# Altium PCB pcb.PcbDoc (part 2 of 2)
Units mm, origin at the board's own origin, x right, y up, seen from the top; angles counter-clockwise.
Board outline 174.83 x 114.43 mm, 2 copper layers (Top Layer, Bottom Layer); 117 components, 132 nets, 722 pads, 1852 vias.
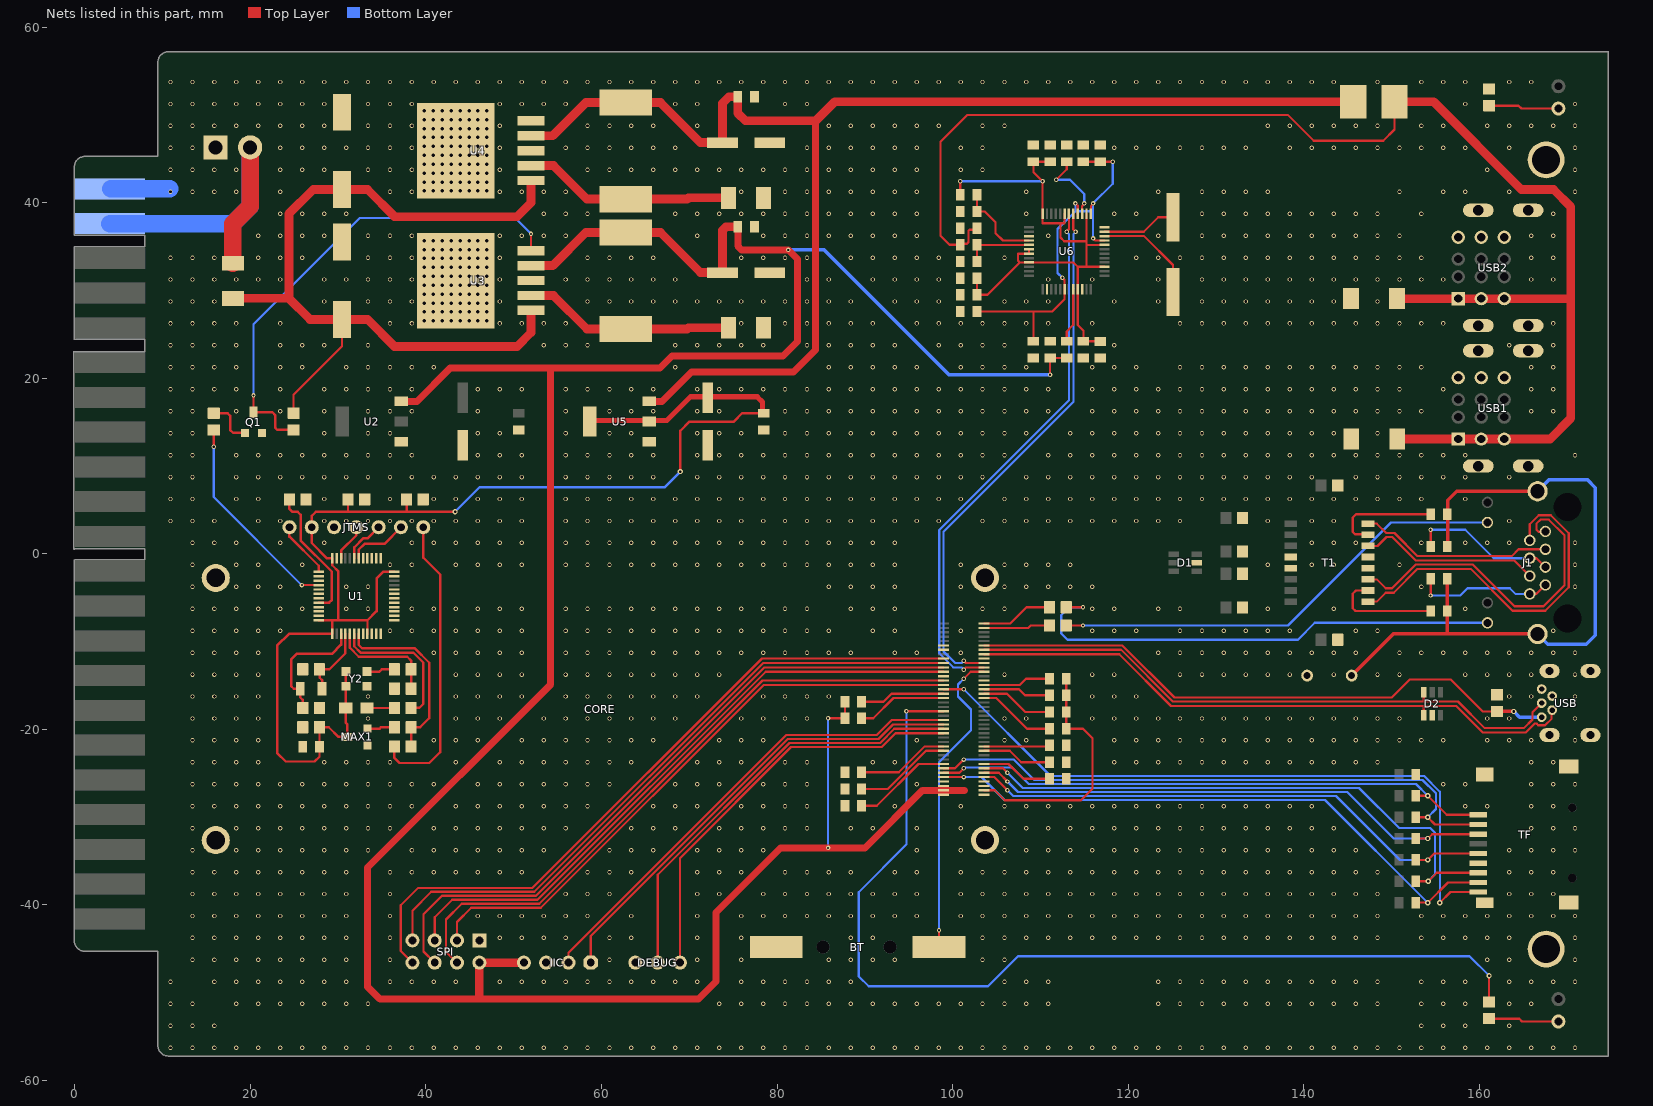
[diagram p2: the nets of this part, all layers, seen from the top]

## Via types
v1: diameter 0.5, hole 0.3, Top Layer to Bottom Layer, tented both sides, 1793 vias
v2: diameter 0.5, hole 0.25, Top Layer to Bottom Layer, tented both sides, 39 vias
v3: diameter 0.6, hole 0.3, Top Layer to Bottom Layer, tented both sides, 6 vias
v4: diameter 0.6, hole 0.3, Top Layer to Bottom Layer, 6 vias
v5: diameter 0.508, hole 0.254, Top Layer to Bottom Layer, tented both sides, 6 vias
v6: diameter 0.6, hole 0.3, Top Layer to Bottom Layer, tented bottom, 2 vias

## Nets (pads, with @x,y where several pads share a name; then routed paths per layer and width w, separated by ;. In a path a pad name is that pad's centre, name@x,y a point inside that pad or via, vN(x,y) a via of type N, cw(c..) or ccw(c..) an arc to the next point about the centre after c; other vN are vias at no path point) (continued)
GND: "Fixed hole 1.1" "Fixed hole 2.1" BT.2 C1.2 C2.2 C3.1 C4.2 C5.1 C6.1 C7.1 C8.2 C9.2 C10.2 C11.2 C12.2 C13.2 C14.2 C15.2 C16.2 C17.2 C18.2 C19.2 C20.1 C21.1 C22.1 C23.1 C24.1 C25.1 C26.1 C27.1 C28.1 C29.1 C30.1 C31.1 C32.1 C33.2 C34.2 C35.1 C36.1 C37.1 C38.1 C39.1 C40.1 C41.1 CORE.4 CORE.27 CORE.32 CORE.46 CORE.47 CORE.53 CORE.77 D1.5 D2.2 DEBUG.1 IIC.3 JTMS.5 MAX1.1 pad.1@4,41.58 Power.1 Q1.2 R3.2 R4.2 R5.2 R6.2 R7.2 R8.2 R25.2 R30.1 R31.1 R37.2 SPI.1 T1.4 T1.5 T1.12 T1.13 TF.6 TF.10 TF.11 TF.12 TF.13 U1.8 U1.23 U1.35 U1.47 U2.1 U3.3 U4.3 U4.5 U5.1 U6.10 U6.24 U6.39 USB1.4 USB1.8 USB1.12 USB1.13 USB1.14 USB1.15 USB1.16 USB2.4 USB2.8 USB2.12 USB2.13 USB2.14 USB2.15 USB2.16 USB.4 USB.5 USB.6 VD1.2 VD2.2 Y2.2 | length 6.7
  Bottom Layer w2: pad.1@4.064,41.58 10.786,41.58
  other v1: 10.9,-56.25 13.4,-56.25 15.9,-56.25 18.4,-56.25 20.9,-56.25 23.4,-56.25 25.9,-56.25 28.4,-56.25 30.9,-56.25 33.4,-56.25 35.9,-56.25 38.4,-56.25 40.9,-56.25 43.4,-56.25 45.9,-56.25 48.4,-56.25 50.9,-56.25 53.4,-56.25 55.9,-56.25 58.4,-56.25 60.9,-56.25 63.4,-56.25 65.9,-56.25 68.4,-56.25 70.9,-56.25 73.4,-56.25 75.9,-56.25 78.4,-56.25 80.9,-56.25 83.4,-56.25 85.9,-56.25 88.4,-56.25 90.9,-56.25 93.4,-56.25 95.9,-56.25 98.4,-56.25 100.9,-56.25 103.4,-56.25 105.9,-56.25 108.4,-56.25 110.9,-56.25 113.4,-56.25 115.9,-56.25 118.4,-56.25 120.9,-56.25 123.4,-56.25 125.9,-56.25 128.4,-56.25 130.9,-56.25 133.4,-56.25 135.9,-56.25 138.4,-56.25 140.9,-56.25 143.4,-56.25 145.9,-56.25 148.4,-56.25 150.9,-56.25 153.4,-56.25 155.9,-56.25 158.4,-56.25 160.9,-56.25 163.4,-56.25 165.9,-56.25 168.4,-56.25 170.9,-56.25 10.9,-53.75 13.4,-53.75 15.9,-53.75 153.4,-53.75 155.9,-53.75 158.4,-53.75 163.4,-53.75 10.9,-51.25 13.4,-51.25 18.4,-51.25 20.9,-51.25 23.4,-51.25 25.9,-51.25 28.4,-51.25 30.9,-51.25 33.4,-51.25 73.4,-51.25 75.9,-51.25 78.4,-51.25 80.9,-51.25 83.4,-51.25 85.9,-51.25 88.4,-51.25 90.9,-51.25 93.4,-51.25 95.9,-51.25 98.4,-51.25 100.9,-51.25 103.4,-51.25 105.9,-51.25 108.4,-51.25 110.9,-51.25 123.4,-51.25 125.9,-51.25 128.4,-51.25 130.9,-51.25 133.4,-51.25 135.9,-51.25 138.4,-51.25 140.9,-51.25 143.4,-51.25 145.9,-51.25 148.4,-51.25 153.4,-51.25 155.9,-51.25 158.4,-51.25 163.4,-51.25 165.9,-51.25 10.9,-48.75 15.9,-48.75 18.4,-48.75 20.9,-48.75 23.4,-48.75 25.9,-48.75 28.4,-48.75 30.9,-48.75 35.9,-48.75 38.4,-48.75 40.9,-48.75 43.4,-48.75 48.4,-48.75 50.9,-48.75 53.4,-48.75 55.9,-48.75 58.4,-48.75 60.9,-48.75 63.4,-48.75 65.9,-48.75 68.4,-48.75 70.9,-48.75 75.9,-48.75 78.4,-48.75 80.9,-48.75 83.4,-48.75 85.9,-48.75 88.4,-48.75 105.9,-48.75 108.4,-48.75 110.9,-48.75 123.4,-48.75 125.9,-48.75 128.4,-48.75 130.9,-48.75 133.4,-48.75 135.9,-48.75 138.4,-48.75 140.9,-48.75 143.4,-48.75 145.9,-48.75 148.4,-48.75 153.4,-48.75 155.9,-48.75 158.4,-48.75 163.4,-48.75 165.9,-48.75 168.4,-48.75 170.9,-48.75 13.4,-46.25 15.9,-46.25 18.4,-46.25 20.9,-46.25 23.4,-46.25 25.9,-46.25 28.4,-46.25 30.9,-46.25 35.9,-46.25 60.9,-46.25 70.9,-46.25 75.9,-46.25 85.9,-46.25 88.4,-46.25 90.9,-46.25 93.4,-46.25 103.4,-46.25 105.9,-46.25 160.9,-46.25 163.4,-46.25 170.9,-46.25 13.4,-43.75 15.9,-43.75 18.4,-43.75 20.9,-43.75 23.4,-43.75 25.9,-43.75 28.4,-43.75 30.9,-43.75 35.9,-43.75 48.4,-43.75 50.9,-43.75 53.4,-43.75 55.9,-43.75 60.9,-43.75 63.4,-43.75 70.9,-43.75 75.9,-43.75 88.4,-43.75 90.9,-43.75 103.4,-43.75 105.9,-43.75 108.4,-43.75 110.9,-43.75 113.4,-43.75 115.9,-43.75 118.4,-43.75 120.9,-43.75 123.4,-43.75 125.9,-43.75 128.4,-43.75 130.9,-43.75 133.4,-43.75 135.9,-43.75 138.4,-43.75 140.9,-43.75 143.4,-43.75 145.9,-43.75 148.4,-43.75 153.4,-43.75 155.9,-43.75 158.4,-43.75 160.9,-43.75 163.4,-43.75 170.9,-43.75 13.4,-41.25 15.9,-41.25 18.4,-41.25 20.9,-41.25 23.4,-41.25 25.9,-41.25 28.4,-41.25 30.9,-41.25 35.9,-41.25 45.9,-41.25 48.4,-41.25 50.9,-41.25 53.4,-41.25 55.9,-41.25 58.4,-41.25 63.4,-41.25 70.9,-41.25 75.9,-41.25 78.4,-41.25 80.9,-41.25 83.4,-41.25 85.9,-41.25 88.4,-41.25 90.9,-41.25 93.4,-41.25 95.9,-41.25 100.9,-41.25 103.4,-41.25 105.9,-41.25 108.4,-41.25 110.9,-41.25 113.4,-41.25 115.9,-41.25 118.4,-41.25 120.9,-41.25 123.4,-41.25 125.9,-41.25 128.4,-41.25 130.9,-41.25 133.4,-41.25 135.9,-41.25 138.4,-41.25 140.9,-41.25 143.4,-41.25 145.9,-41.25 148.4,-41.25 153.4,-41.25 155.9,-41.25 158.4,-41.25 160.9,-41.25 163.4,-41.25 165.9,-41.25 168.4,-41.25 170.9,-41.25 13.4,-38.75 15.9,-38.75 18.4,-38.75 20.9,-38.75 23.4,-38.75 25.9,-38.75 28.4,-38.75 30.9,-38.75 35.9,-38.75 55.9,-38.75 58.4,-38.75 60.9,-38.75 70.9,-38.75 73.4,-38.75 78.4,-38.75 80.9,-38.75 83.4,-38.75 85.9,-38.75 88.4,-38.75 90.9,-38.75 93.4,-38.75 95.9,-38.75 100.9,-38.75 103.4,-38.75 105.9,-38.75 108.4,-38.75 110.9,-38.75 113.4,-38.75 115.9,-38.75 118.4,-38.75 120.9,-38.75 123.4,-38.75 125.9,-38.75 128.4,-38.75 130.9,-38.75 133.4,-38.75 135.9,-38.75 138.4,-38.75 140.9,-38.75 143.4,-38.75 145.9,-38.75 148.4,-38.75 163.4,-38.75 165.9,-38.75 168.4,-38.75 13.4,-36.25 15.9,-36.25 18.4,-36.25 20.9,-36.25 23.4,-36.25 25.9,-36.25 28.4,-36.25 30.9,-36.25 35.9,-36.25 38.4,-36.25 40.9,-36.25 43.4,-36.25 45.9,-36.25 48.4,-36.25 50.9,-36.25 58.4,-36.25 60.9,-36.25 63.4,-36.25 70.9,-36.25 73.4,-36.25 75.9,-36.25 80.9,-36.25 83.4,-36.25 85.9,-36.25 88.4,-36.25 93.4,-36.25 95.9,-36.25 100.9,-36.25 103.4,-36.25 105.9,-36.25 108.4,-36.25 110.9,-36.25 113.4,-36.25 115.9,-36.25 118.4,-36.25 120.9,-36.25 123.4,-36.25 125.9,-36.25 128.4,-36.25 130.9,-36.25 133.4,-36.25 135.9,-36.25 138.4,-36.25 140.9,-36.25 143.4,-36.25 145.9,-36.25 148.4,-36.25 163.4,-36.25 165.9,-36.25 168.4,-36.25 13.4,-33.75 18.4,-33.75 20.9,-33.75 23.4,-33.75 25.9,-33.75 28.4,-33.75 30.9,-33.75 33.4,-33.75 38.4,-33.75 40.9,-33.75 43.4,-33.75 45.9,-33.75 48.4,-33.75 50.9,-33.75 53.4,-33.75 60.9,-33.75 63.4,-33.75 65.9,-33.75 70.9,-33.75 73.4,-33.75 75.9,-33.75 78.4,-33.75 95.9,-33.75 100.9,-33.75 105.9,-33.75 108.4,-33.75 110.9,-33.75 113.4,-33.75 115.9,-33.75 118.4,-33.75 120.9,-33.75 123.4,-33.75 125.9,-33.75 128.4,-33.75 130.9,-33.75 133.4,-33.75 135.9,-33.75 138.4,-33.75 140.9,-33.75 143.4,-33.75 145.9,-33.75 163.4,-33.75 165.9,-33.75 168.4,-33.75 170.9,-33.75 13.4,-31.25 18.4,-31.25 20.9,-31.25 23.4,-31.25 25.9,-31.25 28.4,-31.25 30.9,-31.25 33.4,-31.25 35.9,-31.25 40.9,-31.25 43.4,-31.25 45.9,-31.25 48.4,-31.25 50.9,-31.25 53.4,-31.25 55.9,-31.25 63.4,-31.25 65.9,-31.25 68.4,-31.25 73.4,-31.25 75.9,-31.25 78.4,-31.25 80.9,-31.25 83.4,-31.25 88.4,-31.25 90.9,-31.25 95.9,-31.25 100.9,-31.25 105.9,-31.25 108.4,-31.25 110.9,-31.25 113.4,-31.25 115.9,-31.25 118.4,-31.25 120.9,-31.25 123.4,-31.25 125.9,-31.25 128.4,-31.25 130.9,-31.25 133.4,-31.25 135.9,-31.25 138.4,-31.25 140.9,-31.25 143.4,-31.25 165.9,-31.25 168.4,-31.25 170.9,-31.25 13.4,-28.75 15.9,-28.75 18.4,-28.75 20.9,-28.75 23.4,-28.75 25.9,-28.75 28.4,-28.75 30.9,-28.75 33.4,-28.75 35.9,-28.75 38.4,-28.75 43.4,-28.75 45.9,-28.75 48.4,-28.75 50.9,-28.75 53.4,-28.75 55.9,-28.75 58.4,-28.75 65.9,-28.75 68.4,-28.75 70.9,-28.75 75.9,-28.75 78.4,-28.75 80.9,-28.75 83.4,-28.75 93.4,-28.75 100.9,-28.75 105.9,-28.75 108.4,-28.75 110.9,-28.75 113.4,-28.75 115.9,-28.75 118.4,-28.75 120.9,-28.75 123.4,-28.75 125.9,-28.75 128.4,-28.75 130.9,-28.75 133.4,-28.75 135.9,-28.75 138.4,-28.75 140.9,-28.75 158.4,-28.75 160.9,-28.75 165.9,-28.75 168.4,-28.75 13.4,-26.25 15.9,-26.25 18.4,-26.25 20.9,-26.25 23.4,-26.25 25.9,-26.25 28.4,-26.25 30.9,-26.25 33.4,-26.25 35.9,-26.25 38.4,-26.25 40.9,-26.25 45.9,-26.25 48.4,-26.25 50.9,-26.25 53.4,-26.25 55.9,-26.25 58.4,-26.25 60.9,-26.25 68.4,-26.25 70.9,-26.25 73.4,-26.25 78.4,-26.25 80.9,-26.25 83.4,-26.25 95.9,-26.25 155.9,-26.25 158.4,-26.25 165.9,-26.25 168.4,-26.25 170.9,-26.25 13.4,-23.75 15.9,-23.75 18.4,-23.75 20.9,-23.75 28.4,-23.75 30.9,-23.75 33.4,-23.75 35.9,-23.75 43.4,-23.75 48.4,-23.75 50.9,-23.75 53.4,-23.75 55.9,-23.75 58.4,-23.75 60.9,-23.75 63.4,-23.75 70.9,-23.75 73.4,-23.75 75.9,-23.75 80.9,-23.75 83.4,-23.75 90.9,-23.75 93.4,-23.75 118.4,-23.75 120.9,-23.75 123.4,-23.75 125.9,-23.75 128.4,-23.75 130.9,-23.75 133.4,-23.75 135.9,-23.75 138.4,-23.75 140.9,-23.75 143.4,-23.75 145.9,-23.75 148.4,-23.75 165.9,-23.75 168.4,-23.75 13.4,-21.25 15.9,-21.25 18.4,-21.25 20.9,-21.25 40.9,-21.25 43.4,-21.25 45.9,-21.25 50.9,-21.25 53.4,-21.25 55.9,-21.25 58.4,-21.25 60.9,-21.25 63.4,-21.25 65.9,-21.25 73.4,-21.25 75.9,-21.25 78.4,-21.25 95.9,-21.25 105.9,-21.25 108.4,-21.25 118.4,-21.25 120.9,-21.25 123.4,-21.25 125.9,-21.25 128.4,-21.25 130.9,-21.25 133.4,-21.25 135.9,-21.25 138.4,-21.25 140.9,-21.25 143.4,-21.25 145.9,-21.25 148.4,-21.25 150.9,-21.25 153.4,-21.25 155.9,-21.25 160.9,-21.25 163.4,-21.25 165.9,-21.25 170.9,-21.25 13.4,-18.75 15.9,-18.75 18.4,-18.75 20.9,-18.75 33.4,-18.75 43.4,-18.75 45.9,-18.75 48.4,-18.75 53.4,-18.75 55.9,-18.75 58.4,-18.75 60.9,-18.75 63.4,-18.75 65.9,-18.75 68.4,-18.75 75.9,-18.75 78.4,-18.75 80.9,-18.75 83.4,-18.75 105.9,-18.75 108.4,-18.75 115.9,-18.75 118.4,-18.75 120.9,-18.75 123.4,-18.75 125.9,-18.75 128.4,-18.75 130.9,-18.75 133.4,-18.75 135.9,-18.75 138.4,-18.75 140.9,-18.75 143.4,-18.75 145.9,-18.75 148.4,-18.75 150.9,-18.75 160.9,-18.75 163.4,-18.75 170.9,-18.75 13.4,-16.25 15.9,-16.25 18.4,-16.25 20.9,-16.25 33.4,-16.25 43.4,-16.25 45.9,-16.25 48.4,-16.25 50.9,-16.25 55.9,-16.25 58.4,-16.25 60.9,-16.25 63.4,-16.25 65.9,-16.25 68.4,-16.25 70.9,-16.25 78.4,-16.25 80.9,-16.25 83.4,-16.25 85.9,-16.25 115.9,-16.25 118.4,-16.25 120.9,-16.25 163.4,-16.25 165.9,-16.25 170.9,-16.25 13.4,-13.75 15.9,-13.75 18.4,-13.75 20.9,-13.75 43.4,-13.75 45.9,-13.75 48.4,-13.75 50.9,-13.75 55.9,-13.75 58.4,-13.75 60.9,-13.75 63.4,-13.75 65.9,-13.75 68.4,-13.75 70.9,-13.75 73.4,-13.75 105.9,-13.75 115.9,-13.75 118.4,-13.75 125.9,-13.75 128.4,-13.75 130.9,-13.75 133.4,-13.75 135.9,-13.75 138.4,-13.75 143.4,-13.75 148.4,-13.75 150.9,-13.75 158.4,-13.75 160.9,-13.75 163.4,-13.75 165.9,-13.75 170.9,-13.75 13.4,-11.25 15.9,-11.25 18.4,-11.25 20.9,-11.25 40.9,-11.25 43.4,-11.25 45.9,-11.25 48.4,-11.25 50.9,-11.25 55.9,-11.25 58.4,-11.25 60.9,-11.25 63.4,-11.25 65.9,-11.25 68.4,-11.25 70.9,-11.25 73.4,-11.25 75.9,-11.25 78.4,-11.25 80.9,-11.25 83.4,-11.25 85.9,-11.25 88.4,-11.25 93.4,-11.25 95.9,-11.25 100.9,-11.25 123.4,-11.25 125.9,-11.25 128.4,-11.25 130.9,-11.25 133.4,-11.25 135.9,-11.25 138.4,-11.25 140.9,-11.25 143.4,-11.25 145.9,-11.25 150.9,-11.25 153.4,-11.25 155.9,-11.25 158.4,-11.25 160.9,-11.25 163.4,-11.25 165.9,-11.25 168.4,-11.25 170.9,-11.25 13.4,-8.75 15.9,-8.75 18.4,-8.75 20.9,-8.75 23.4,-8.75 35.9,-8.75 38.4,-8.75 40.9,-8.75 43.4,-8.75 45.9,-8.75 48.4,-8.75 50.9,-8.75 55.9,-8.75 58.4,-8.75 60.9,-8.75 63.4,-8.75 65.9,-8.75 68.4,-8.75 70.9,-8.75 73.4,-8.75 75.9,-8.75 78.4,-8.75 80.9,-8.75 83.4,-8.75 85.9,-8.75 90.9,-8.75 93.4,-8.75 100.9,-8.75 115.9,-8.75 118.4,-8.75 120.9,-8.75 125.9,-8.75 128.4,-8.75 130.9,-8.75 133.4,-8.75 135.9,-8.75 138.4,-8.75 145.9,-8.75 148.4,-8.75 168.4,-8.75 13.4,-6.25 15.9,-6.25 18.4,-6.25 20.9,-6.25 23.4,-6.25 25.9,-6.25 30.9,-6.25 33.4,-6.25 38.4,-6.25 40.9,-6.25 43.4,-6.25 45.9,-6.25 48.4,-6.25 50.9,-6.25 55.9,-6.25 58.4,-6.25 60.9,-6.25 63.4,-6.25 65.9,-6.25 68.4,-6.25 70.9,-6.25 73.4,-6.25 75.9,-6.25 78.4,-6.25 80.9,-6.25 83.4,-6.25 88.4,-6.25 90.9,-6.25 93.4,-6.25 100.9,-6.25 103.4,-6.25 105.9,-6.25 115.9,-6.25 118.4,-6.25 123.4,-6.25 125.9,-6.25 135.9,-6.25 143.4,-6.25 158.4,-6.25 13.4,-3.75 18.4,-3.75 20.9,-3.75 23.4,-3.75 30.9,-3.75 33.4,-3.75 85.9,-3.75 88.4,-3.75 90.9,-3.75 93.4,-3.75 100.9,-3.75 105.9,-3.75 108.4,-3.75 110.9,-3.75 113.4,-3.75 115.9,-3.75 153.4,-3.75 170.9,-3.75 13.4,-1.25 18.4,-1.25 20.9,-1.25 25.9,-1.25 35.9,-1.25 38.4,-1.25 43.4,-1.25 45.9,-1.25 48.4,-1.25 50.9,-1.25 55.9,-1.25 58.4,-1.25 60.9,-1.25 63.4,-1.25 65.9,-1.25 68.4,-1.25 70.9,-1.25 73.4,-1.25 75.9,-1.25 78.4,-1.25 80.9,-1.25 83.4,-1.25 85.9,-1.25 88.4,-1.25 90.9,-1.25 93.4,-1.25 100.9,-1.25 105.9,-1.25 108.4,-1.25 110.9,-1.25 113.4,-1.25 135.9,-1.25 140.9,-1.25 143.4,-1.25 150.9,-1.25 170.9,-1.25 13.4,1.25 15.9,1.25 18.4,1.25 23.4,1.25 28.4,1.25 38.4,1.25 40.9,1.25 43.4,1.25 45.9,1.25 48.4,1.25 50.9,1.25 55.9,1.25 58.4,1.25 60.9,1.25 63.4,1.25 65.9,1.25 68.4,1.25 70.9,1.25 73.4,1.25 75.9,1.25 78.4,1.25 80.9,1.25 83.4,1.25 85.9,1.25 88.4,1.25 90.9,1.25 93.4,1.25 140.9,1.25 143.4,1.25 145.9,1.25 153.4,1.25 158.4,1.25 160.9,1.25 163.4,1.25 170.9,1.25 10.9,3.75 13.4,3.75 15.9,3.75 20.9,3.75 23.4,3.75 28.4,3.75 30.9,3.75 33.4,3.75 35.9,3.75 38.4,3.75 40.9,3.75 43.4,3.75 45.9,3.75 48.4,3.75 50.9,3.75 55.9,3.75 58.4,3.75 60.9,3.75 63.4,3.75 65.9,3.75 68.4,3.75 70.9,3.75 73.4,3.75 75.9,3.75 78.4,3.75 80.9,3.75 83.4,3.75 85.9,3.75 88.4,3.75 90.9,3.75 93.4,3.75 95.9,3.75 98.4,3.75 103.4,3.75 105.9,3.75 108.4,3.75 110.9,3.75 113.4,3.75 115.9,3.75 118.4,3.75 120.9,3.75 123.4,3.75 125.9,3.75 135.9,3.75 140.9,3.75 143.4,3.75 163.4,3.75 10.9,6.25 13.4,6.25 18.4,6.25 20.9,6.25 28.4,6.25 35.9,6.25 40.9,6.25 43.4,6.25 45.9,6.25 48.4,6.25 50.9,6.25 55.9,6.25 58.4,6.25 60.9,6.25 63.4,6.25 65.9,6.25 68.4,6.25 70.9,6.25 73.4,6.25 75.9,6.25 78.4,6.25 80.9,6.25 83.4,6.25 85.9,6.25 88.4,6.25 90.9,6.25 93.4,6.25 95.9,6.25 98.4,6.25 100.9,6.25 105.9,6.25 108.4,6.25 110.9,6.25 113.4,6.25 115.9,6.25 118.4,6.25 120.9,6.25 123.4,6.25 125.9,6.25 128.4,6.25 130.9,6.25 133.4,6.25 135.9,6.25 138.4,6.25 140.9,6.25 143.4,6.25 145.9,6.25 148.4,6.25 150.9,6.25 153.4,6.25 158.4,6.25 10.9,8.75 13.4,8.75 18.4,8.75 20.9,8.75 23.4,8.75 25.9,8.75 28.4,8.75 30.9,8.75 33.4,8.75 35.9,8.75 38.4,8.75 40.9,8.75 43.4,8.75 45.9,8.75 48.4,8.75 50.9,8.75 55.9,8.75 58.4,8.75 60.9,8.75 63.4,8.75 65.9,8.75 70.9,8.75 73.4,8.75 75.9,8.75 78.4,8.75 80.9,8.75 83.4,8.75 85.9,8.75 88.4,8.75 90.9,8.75 93.4,8.75 95.9,8.75 98.4,8.75 100.9,8.75 103.4,8.75 108.4,8.75 110.9,8.75 113.4,8.75 115.9,8.75 118.4,8.75 120.9,8.75 123.4,8.75 125.9,8.75 128.4,8.75 130.9,8.75 133.4,8.75 135.9,8.75 138.4,8.75 140.9,8.75 145.9,8.75 148.4,8.75 150.9,8.75 153.4,8.75 155.9,8.75 158.4,8.75 163.4,8.75 10.9,11.25 13.4,11.25 18.4,11.25 20.9,11.25 23.4,11.25 25.9,11.25 28.4,11.25 30.9,11.25 33.4,11.25 35.9,11.25 38.4,11.25 45.9,11.25 48.4,11.25 50.9,11.25 55.9,11.25 58.4,11.25 60.9,11.25 63.4,11.25 65.9,11.25 70.9,11.25 73.4,11.25 75.9,11.25 78.4,11.25 80.9,11.25 83.4,11.25 85.9,11.25 88.4,11.25 90.9,11.25 93.4,11.25 95.9,11.25 98.4,11.25 100.9,11.25 103.4,11.25 105.9,11.25 110.9,11.25 113.4,11.25 115.9,11.25 118.4,11.25 120.9,11.25 123.4,11.25 125.9,11.25 128.4,11.25 130.9,11.25 133.4,11.25 135.9,11.25 138.4,11.25 140.9,11.25 143.4,11.25 145.9,11.25 148.4,11.25 150.9,11.25 153.4,11.25 155.9,11.25 158.4,11.25 170.9,11.25 10.9,13.75 13.4,13.75 28.4,13.75 33.4,13.75 35.9,13.75 45.9,13.75 48.4,13.75 55.9,13.75 60.9,13.75 63.4,13.75 70.9,13.75 73.4,13.75 75.9,13.75 80.9,13.75 83.4,13.75 85.9,13.75 88.4,13.75 90.9,13.75 93.4,13.75 95.9,13.75 98.4,13.75 100.9,13.75 103.4,13.75 105.9,13.75 108.4,13.75 113.4,13.75 115.9,13.75 118.4,13.75 120.9,13.75 123.4,13.75 125.9,13.75 128.4,13.75 130.9,13.75 133.4,13.75 135.9,13.75 138.4,13.75 140.9,13.75 143.4,13.75 148.4,13.75 10.9,16.25 13.4,16.25 18.4,16.25 23.4,16.25 28.4,16.25 33.4,16.25 35.9,16.25 38.4,16.25 45.9,16.25 55.9,16.25 60.9,16.25 63.4,16.25 65.9,16.25 70.9,16.25 73.4,16.25 80.9,16.25 83.4,16.25 85.9,16.25 88.4,16.25 90.9,16.25 93.4,16.25 95.9,16.25 98.4,16.25 100.9,16.25 103.4,16.25 105.9,16.25 108.4,16.25 110.9,16.25 115.9,16.25 118.4,16.25 120.9,16.25 123.4,16.25 125.9,16.25 128.4,16.25 130.9,16.25 133.4,16.25 135.9,16.25 138.4,16.25 140.9,16.25 143.4,16.25 145.9,16.25 148.4,16.25 150.9,16.25 153.4,16.25 165.9,16.25 168.4,16.25 10.9,18.75 13.4,18.75 15.9,18.75 18.4,18.75 23.4,18.75 28.4,18.75 30.9,18.75 33.4,18.75 35.9,18.75 38.4,18.75 45.9,18.75 48.4,18.75 50.9,18.75 55.9,18.75 58.4,18.75 60.9,18.75 63.4,18.75 65.9,18.75 70.9,18.75 73.4,18.75 75.9,18.75 78.4,18.75 80.9,18.75 83.4,18.75 85.9,18.75 88.4,18.75 90.9,18.75 93.4,18.75 95.9,18.75 98.4,18.75 100.9,18.75 103.4,18.75 105.9,18.75 108.4,18.75 110.9,18.75 115.9,18.75 118.4,18.75 120.9,18.75 123.4,18.75 125.9,18.75 128.4,18.75 130.9,18.75 133.4,18.75 135.9,18.75 138.4,18.75 140.9,18.75 143.4,18.75 145.9,18.75 148.4,18.75 150.9,18.75 155.9,18.75 165.9,18.75 168.4,18.75 10.9,21.25 13.4,21.25 15.9,21.25 18.4,21.25 23.4,21.25 25.9,21.25 30.9,21.25 33.4,21.25 35.9,21.25 38.4,21.25 40.9,21.25 68.4,21.25 85.9,21.25 88.4,21.25 90.9,21.25 93.4,21.25 95.9,21.25 100.9,21.25 103.4,21.25 105.9,21.25 108.4,21.25 115.9,21.25 118.4,21.25 120.9,21.25 125.9,21.25 128.4,21.25 130.9,21.25 133.4,21.25 135.9,21.25 138.4,21.25 140.9,21.25 143.4,21.25 145.9,21.25 148.4,21.25 150.9,21.25 153.4,21.25 165.9,21.25 168.4,21.25 10.9,23.75 13.4,23.75 15.9,23.75 18.4,23.75 23.4,23.75 25.9,23.75 28.4,23.75 33.4,23.75 53.4,23.75 55.9,23.75 58.4,23.75 68.4,23.75 70.9,23.75 73.4,23.75 75.9,23.75 78.4,23.75 83.4,23.75 85.9,23.75 88.4,23.75 90.9,23.75 93.4,23.75 98.4,23.75 100.9,23.75 103.4,23.75 105.9,23.75 118.4,23.75 163.4,23.75 168.4,23.75 10.9,26.25 13.4,26.25 15.9,26.25 18.4,26.25 23.4,26.25 35.9,26.25 38.4,26.25 48.4,26.25 50.9,26.25 53.4,26.25 55.9,26.25 75.9,26.25 80.9,26.25 83.4,26.25 85.9,26.25 88.4,26.25 90.9,26.25 95.9,26.25 98.4,26.25 100.9,26.25 103.4,26.25 105.9,26.25 108.4,26.25 110.9,26.25 115.9,26.25 125.9,26.25 128.4,26.25 130.9,26.25 133.4,26.25 135.9,26.25 138.4,26.25 140.9,26.25 143.4,26.25 145.9,26.25 148.4,26.25 150.9,26.25 153.4,26.25 155.9,26.25 168.4,26.25 10.9,28.75 13.4,28.75 15.9,28.75 28.4,28.75 33.4,28.75 35.9,28.75 38.4,28.75 48.4,28.75 58.4,28.75 60.9,28.75 63.4,28.75 65.9,28.75 68.4,28.75 70.9,28.75 73.4,28.75 75.9,28.75 78.4,28.75 80.9,28.75 83.4,28.75 85.9,28.75 88.4,28.75 93.4,28.75 95.9,28.75 98.4,28.75 105.9,28.75 108.4,28.75 110.9,28.75 118.4,28.75 123.4,28.75 128.4,28.75 130.9,28.75 133.4,28.75 135.9,28.75 138.4,28.75 140.9,28.75 143.4,28.75 148.4,28.75 10.9,31.25 13.4,31.25 15.9,31.25 18.4,31.25 20.9,31.25 23.4,31.25 28.4,31.25 30.9,31.25 33.4,31.25 35.9,31.25 38.4,31.25 48.4,31.25 55.9,31.25 58.4,31.25 60.9,31.25 63.4,31.25 65.9,31.25 68.4,31.25 83.4,31.25 85.9,31.25 90.9,31.25 93.4,31.25 95.9,31.25 98.4,31.25 110.9,31.25 115.9,31.25 123.4,31.25 128.4,31.25 130.9,31.25 133.4,31.25 135.9,31.25 138.4,31.25 140.9,31.25 143.4,31.25 145.9,31.25 148.4,31.25 150.9,31.25 153.4,31.25 155.9,31.25 165.9,31.25 168.4,31.25 10.9,33.75 13.4,33.75 15.9,33.75 20.9,33.75 23.4,33.75 25.9,33.75 33.4,33.75 35.9,33.75 38.4,33.75 48.4,33.75 58.4,33.75 60.9,33.75 63.4,33.75 65.9,33.75 75.9,33.75 78.4,33.75 80.9,33.75 83.4,33.75 88.4,33.75 90.9,33.75 93.4,33.75 95.9,33.75 98.4,33.75 105.9,33.75 120.9,33.75 123.4,33.75 125.9,33.75 128.4,33.75 130.9,33.75 133.4,33.75 135.9,33.75 138.4,33.75 140.9,33.75 143.4,33.75 145.9,33.75 148.4,33.75 150.9,33.75 153.4,33.75 165.9,33.75 168.4,33.75 20.9,36.25 23.4,36.25 25.9,36.25 28.4,36.25 33.4,36.25 35.9,36.25 38.4,36.25 48.4,36.25 50.9,36.25 53.4,36.25 55.9,36.25 70.9,36.25 78.4,36.25 80.9,36.25 83.4,36.25 85.9,36.25 88.4,36.25 90.9,36.25 93.4,36.25 95.9,36.25 110.9,36.25 123.4,36.25 128.4,36.25 130.9,36.25 133.4,36.25 135.9,36.25 138.4,36.25 140.9,36.25 143.4,36.25 145.9,36.25 148.4,36.25 150.9,36.25 165.9,36.25 168.4,36.25 23.4,38.75 25.9,38.75 28.4,38.75 30.9,38.75 53.4,38.75 55.9,38.75 58.4,38.75 68.4,38.75 70.9,38.75 73.4,38.75 75.9,38.75 78.4,38.75 80.9,38.75 83.4,38.75 85.9,38.75 88.4,38.75 90.9,38.75 93.4,38.75 95.9,38.75 108.4,38.75 118.4,38.75 120.9,38.75 128.4,38.75 130.9,38.75 133.4,38.75 135.9,38.75 138.4,38.75 140.9,38.75 143.4,38.75 145.9,38.75 148.4,38.75 153.4,38.75 168.4,38.75 10.9,41.25 13.4,41.25 15.9,41.25 18.4,41.25 23.4,41.25 35.9,41.25 38.4,41.25 48.4,41.25 50.9,41.25 53.4,41.25 55.9,41.25 75.9,41.25 80.9,41.25 83.4,41.25 85.9,41.25 88.4,41.25 90.9,41.25 93.4,41.25 95.9,41.25 108.4,41.25 123.4,41.25 128.4,41.25 130.9,41.25 133.4,41.25 135.9,41.25 150.9,41.25 155.9,41.25 158.4,41.25 163.4,41.25 170.9,41.25 10.9,43.75 13.4,43.75 15.9,43.75 18.4,43.75 23.4,43.75 25.9,43.75 28.4,43.75 33.4,43.75 35.9,43.75 38.4,43.75 48.4,43.75 58.4,43.75 60.9,43.75 63.4,43.75 65.9,43.75 68.4,43.75 70.9,43.75 73.4,43.75 75.9,43.75 78.4,43.75 80.9,43.75 83.4,43.75 85.9,43.75 88.4,43.75 90.9,43.75 93.4,43.75 95.9,43.75 100.9,43.75 103.4,43.75 160.9,43.75 170.9,43.75 10.9,46.25 13.4,46.25 23.4,46.25 25.9,46.25 28.4,46.25 30.9,46.25 33.4,46.25 35.9,46.25 38.4,46.25 48.4,46.25 55.9,46.25 58.4,46.25 60.9,46.25 63.4,46.25 65.9,46.25 68.4,46.25 83.4,46.25 85.9,46.25 88.4,46.25 90.9,46.25 93.4,46.25 95.9,46.25 100.9,46.25 103.4,46.25 118.4,46.25 120.9,46.25 123.4,46.25 125.9,46.25 128.4,46.25 130.9,46.25 133.4,46.25 138.4,46.25 140.9,46.25 143.4,46.25 145.9,46.25 148.4,46.25 150.9,46.25 153.4,46.25 155.9,46.25 158.4,46.25 163.4,46.25 170.9,46.25 10.9,48.75 13.4,48.75 15.9,48.75 18.4,48.75 20.9,48.75 23.4,48.75 25.9,48.75 28.4,48.75 33.4,48.75 35.9,48.75 38.4,48.75 48.4,48.75 58.4,48.75 60.9,48.75 63.4,48.75 65.9,48.75 70.9,48.75 85.9,48.75 88.4,48.75 90.9,48.75 93.4,48.75 95.9,48.75 98.4,48.75 103.4,48.75 105.9,48.75 135.9,48.75 138.4,48.75 140.9,48.75 143.4,48.75 145.9,48.75 148.4,48.75 153.4,48.75 155.9,48.75 160.9,48.75 163.4,48.75 165.9,48.75 168.4,48.75 170.9,48.75 10.9,51.25 13.4,51.25 15.9,51.25 18.4,51.25 20.9,51.25 23.4,51.25 25.9,51.25 28.4,51.25 33.4,51.25 35.9,51.25 38.4,51.25 48.4,51.25 50.9,51.25 53.4,51.25 55.9,51.25 68.4,51.25 70.9,51.25 80.9,51.25 83.4,51.25 158.4,51.25 170.9,51.25 10.9,53.75 13.4,53.75 15.9,53.75 18.4,53.75 20.9,53.75 23.4,53.75 25.9,53.75 28.4,53.75 30.9,53.75 33.4,53.75 35.9,53.75 38.4,53.75 40.9,53.75 43.4,53.75 45.9,53.75 48.4,53.75 50.9,53.75 53.4,53.75 55.9,53.75 58.4,53.75 60.9,53.75 63.4,53.75 65.9,53.75 68.4,53.75 70.9,53.75 73.4,53.75 75.9,53.75 78.4,53.75 80.9,53.75 83.4,53.75 85.9,53.75 88.4,53.75 90.9,53.75 93.4,53.75 95.9,53.75 98.4,53.75 100.9,53.75 103.4,53.75 105.9,53.75 108.4,53.75 110.9,53.75 113.4,53.75 115.9,53.75 118.4,53.75 120.9,53.75 123.4,53.75 125.9,53.75 128.4,53.75 130.9,53.75 133.4,53.75 135.9,53.75 138.4,53.75 140.9,53.75 143.4,53.75 148.4,53.75 153.4,53.75 155.9,53.75 158.4,53.75 163.4,53.75 165.9,53.75